# Altium PCB HumiTemPM.PcbDoc (part 2 of 2)
Units mm, origin at the board's own origin, x right, y up, seen from the top; angles counter-clockwise.
Board outline 55.25 x 79.13 mm, 2 copper layers (Top Layer, Bottom Layer); 95 components, 85 nets, 387 pads, 352 vias.
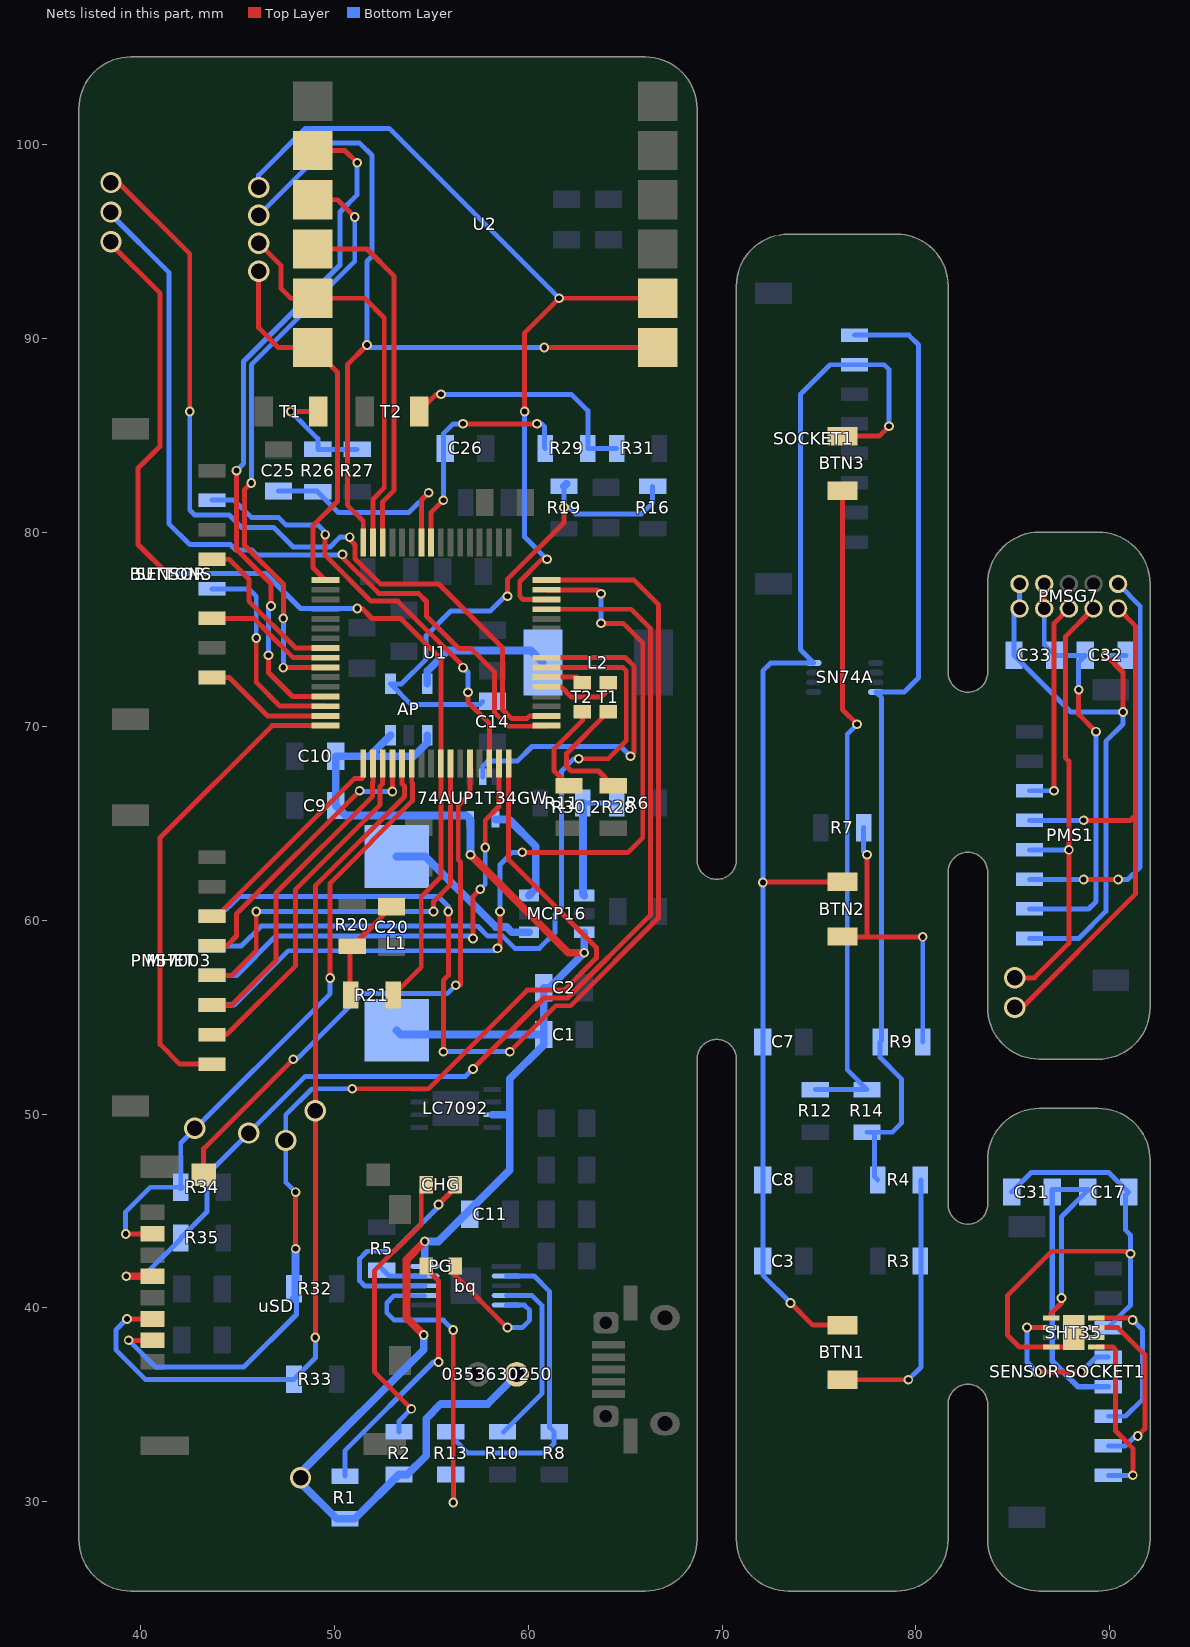
[diagram p2: the nets of this part, all layers, seen from the top]

## Via types
v1: diameter 0.8, hole 0.5, Top Layer to Bottom Layer, tented both sides, 190 vias
v2: diameter 0.5, hole 0.3, Top Layer to Bottom Layer, tented both sides, 118 vias
v3: diameter 1.1, hole 0.8, Top Layer to Bottom Layer, 30 vias
v4: diameter 3.5, hole 3, Top Layer to Bottom Layer, 5 vias
v5: diameter 0.5, hole 0.2, Top Layer to Bottom Layer, 4 vias
v6: diameter 2.5, hole 2, Top Layer to Bottom Layer, 3 vias
v7: diameter 0.8, hole 0.3, Top Layer to Bottom Layer, tented both sides, 2 vias

## Nets (pads, with @x,y where several pads share a name; then routed paths per layer and width w, separated by ;. In a path a pad name is that pad's centre, name@x,y a point inside that pad or via, vN(x,y) a via of type N, cw(c..) or ccw(c..) an arc to the next point about the centre after c; other vN are vias at no path point) (continued)
Net74AUP1T34GW_2: 74AUP1T34GW.2 U1.24 | length 18.2
  Top Layer w0.254: U1.24@60.945,73.537 65.02,73.537 65.463,73.094 65.463,68.638 v2(65.278,68.453)
  Bottom Layer w0.254: 74AUP1T34GW.2@57.658,67.394 57.658,67.945 57.912,68.199 59.439,68.199 60.197,68.957 64.774,68.957 v2(65.278,68.453)
Net74AUP1T34GW_4: 74AUP1T34GW.4 MCP16.3 | length 5.3
  Bottom Layer w0.4: 74AUP1T34GW.4@58.308,65.194 59.012,65.194 60.394,63.812 60.394,61.626 MCP16.3@60.043,61.275
NetAP3428A_4: AP.4 C14.1 R16.1 R19.2 | length 26.7
  Top Layer w0.254: v2(58.928,76.708) 58.928,77.582 61.849,80.503 v2(61.849,81.28)
  Bottom Layer w0.254: C14.1@57.658,71.281 57.497,71.12 53.969,71.12 AP.4@52.898,72.191 53.469,72.191 54.737,73.459 54.737,74.676 56.007,75.946 58.039,75.946 58.801,76.708 v2(58.928,76.708) ; R19.2@61.849,82.38 v2(61.849,81.28) 62.127,81.28 62.45,80.957 65.844,80.957 66.421,81.534 R16.1@66.421,82.38
  Bottom Layer w0.4: R19.2@61.849,82.38 R19.2@61.976,82.507
NetAP3428A_5: AP.5 L2.1 | length 7.3
  Bottom Layer w0.4: AP.5@54.798,72.191 54.798,72.846 55.866,73.914 60.122,73.914 L2.1@60.757,73.279
Netbq2409x_2: bq.2 R8.2 R13.1 | length 16.6
  Bottom Layer w0.254: R13.1@56.134,33.612 56.134,33.274 56.896,32.512 60.833,32.512 61.341,33.02 R8.2@61.341,33.612 61.11,33.843 61.11,40.843 60.305,41.648 bq.2@58.869,41.648
Netbq2409x_4: bq.4 R10.2 | length 9.4
  Bottom Layer w0.254: R10.2@58.737,33.612 60.706,35.581 60.706,40.132 60.19,40.648 bq.4@58.869,40.648
Netbq2409x_5: bq.5 PG.2 | length 7.5
  Top Layer w0.254: PG.2@56.122,42.164 56.122,41.795 v2(58.928,38.989)
  Bottom Layer w0.254: bq.5@58.869,40.148 59.801,40.148 60.071,39.878 60.071,39.37 59.69,38.989 v2(58.928,38.989)
Netbq2409x_7: bq.7 R13.2 | length 16.7
  Top Layer w0.254: v2(56.134,29.972) v2(56.134,38.862)
  Bottom Layer w0.254: bq.7@54.65,40.629 53.075,40.629 52.705,40.259 52.705,39.751 53.086,39.37 55.626,39.37 v2(56.134,38.862) ; v2(56.134,29.972) R13.2@56.134,31.412
Netbq2409x_8: bq.8 CHG.2 | length 12.1
  Top Layer w0.254: v2(55.372,45.339) 56.249,46.216 CHG.2@56.249,46.355
  Bottom Layer w0.254: 53.848,41.148 bq.8@54.669,41.148 54.669,41.125 51.585,41.125 51.308,41.402 51.308,42.545 51.689,42.926 53.083,42.926 55.372,45.215 v2(55.372,45.339)
Netbq2409x_9: bq.9 R5.2 | length 2.4
  Bottom Layer w0.254: R5.2@52.451,42.037 52.84,41.648 bq.9@54.669,41.648
NetBTN1_1: BTN1.1 R3.1 R4.1 | length 14
  Top Layer w0.254: BTN1.1@76.2,36.3 v2(79.607,36.3)
  Bottom Layer w0.254: v2(79.607,36.3) 80.264,36.957 R4.1@80.264,46.609
NetBTN1_2: BTN1.2 BTN2.2 BTN3.2 C3.2 C7.2 C8.2 SN74A.4 SOCKET1.2 | length 68.2
  Top Layer w0.254: v2(72.102,61.942) 72.136,61.976 BTN2.2@76.2,61.976 ; v2(73.533,40.259) 74.676,39.116 BTN1.2@76.2,39.116 ; BTN3.2@76.2,84.963 78.105,84.963 v2(78.613,85.471)
  Bottom Layer w0.254: v2(73.533,40.259) 72.102,41.69 C3.2@72.102,42.418 C8.2@72.102,46.609 C7.2@72.102,53.721 v2(72.102,61.942) 72.102,72.864 72.505,73.267 SN74A.4@74.727,73.267 74.041,73.953 74.041,87.122 75.565,88.646 SOCKET1.2@76.835,88.646 78.359,88.646 78.613,88.392 v2(78.613,85.471)
NetBTN2_1: BTN2.1 R7.1 R9.1 | length 15.3
  Top Layer w0.254: BTN2.1@76.2,59.16 76.221,59.139 77.597,59.139 ; v2(77.47,63.373) 77.47,59.266 77.597,59.139 ; v2(80.348,59.139) 77.597,59.139
  Bottom Layer w0.254: R7.1@77.3,64.77 77.3,63.543 v2(77.47,63.373) ; R9.1@80.348,53.721 v2(80.348,59.139)
NetBTN3_1: BTN3.1 R12.1 R14.1 | length 34.5
  Top Layer w0.254: BTN3.1@76.2,82.147 76.2,70.866 v2(76.962,70.104)
  Bottom Layer w0.254: R12.1@74.803,51.265 R14.1@77.47,51.265 76.454,52.281 76.454,69.596 v2(76.962,70.104)
NetBTN_TST1_1: R26.1 R27.1 T1.1@49.171,86.233 | length 6
  Top Layer w0.254: v2(47.752,86.233) T1.1@49.171,86.233
  Bottom Layer w0.254: v2(47.752,86.233) 49.149,84.836 R26.1@49.149,84.285 R27.1@51.181,84.285
NetBTN_TST2_1: R29.1 R31.1 T2.1@54.378,86.233 | length 12.8
  Top Layer w0.254: T2.1@54.378,86.233 55.267,87.122 v2(55.499,87.122)
  Bottom Layer w0.254: v2(55.499,87.122) 62.23,87.122 63.076,86.276 R29.1@63.076,84.328 R31.1@64.559,84.328
"NetBUTTONS SOCKET1_1": R4.2 R9.2 R14.2 SN74A.8 SOCKET1.1 | length 50.5
  Bottom Layer w0.254: SOCKET1.1@76.835,90.17 79.629,90.17 80.137,89.662 80.137,72.517 79.387,71.767 SN74A.8@77.927,71.767 78.228,71.466 78.228,53.801 R9.2@78.148,53.721 78.148,52.916 79.248,51.816 79.248,49.53 78.783,49.065 R14.2@77.851,49.065 ; R14.2@77.47,49.065 R14.2@77.851,49.065 ; R4.2@78.021,46.609 77.851,46.779 R14.2@77.851,49.065
"NetBUTTONS SOCKET_1": BUTTONS.1 U1.63 | length 6.7
  Top Layer w0.254: BUTTONS.1@43.688,72.517 44.577,72.517 46.557,70.537 U1.63@49.545,70.537
"NetBUTTONS SOCKET_3": BUTTONS.3 U1.57 | length 6.7
  Top Layer w0.254: BUTTONS.3@43.688,75.565 45.85,75.565 46.605,74.81 46.605,74.807 47.875,73.537 U1.57@49.545,73.537
"NetBUTTONS SOCKET_5": BUTTONS.5 U1.56 | length 8.4
  Top Layer w0.254: BUTTONS.5@43.688,78.613 44.577,78.613 45.593,77.597 45.593,76.451 48.007,74.037 U1.56@49.545,74.037
NetC17_1: "SENSOR SOCKET1.3" C17.1 C31.1 SHT35.2 SHT35.8 SHT35.9 | length 28.5
  Top Layer w0.254: SHT35.9@87.67,37.985 SHT35.8@86.968,37.985 85.332,37.985 84.709,38.608 84.709,40.64 86.995,42.926 v2@91.059,42.926 ; SHT35.9@88.011,38.885 88.178,38.885 88.578,38.485 SHT35.2@89.308,38.485
  Bottom Layer w0.254: C31.1@84.929,45.974 85.945,46.99 89.95,46.99 C17.1@90.966,45.974 90.809,45.817 90.809,44.014 91.059,43.764 v2(91.059,42.799) 91.059,40.132 90.936,40.009 90.913,40.009 89.916,39.012 89.916,38.989
NetC17_2: "SENSOR SOCKET1.5" C17.2 C31.2 SHT35.5 | length 21.5
  Top Layer w0.254: SHT35.5@86.968,39.485 86.968,39.724 87.503,40.259 v2(87.503,40.513)
  Bottom Layer w0.254: C31.2@87.029,46.101 88.866,46.101 88.866,46.067 87.503,44.704 87.503,41.91 v2(87.503,40.513)
  Bottom Layer w0.3: C31.2@87.029,46.101 C31.2@87.029,45.974 87.029,37.268 88.356,35.941 89.916,35.941
NetC20_2: C20.2 R20.1 R21.1 | length 5.6
  Top Layer w0.254: R21.1@50.843,56.134 50.8,56.177 50.8,58.64 50.85,58.59 50.859,58.59 C20.2@52.959,60.69
NetC25_1: C25.1 R26.2 U1.42 | length 11.3
  Top Layer w0.254: U1.42@54.495,79.487 54.495,81.673 v2(54.864,82.042)
  Bottom Layer w0.254: C25.1@47.117,82.135 49.099,82.135 R26.2@49.149,82.085 50.208,81.026 53.848,81.026 v2(54.864,82.042)
NetC26_1: C26.1 R29.2 U1.41 | length 12.5
  Top Layer w0.254: U1.41@54.995,79.487 54.995,81.03 v2(55.626,81.661) ; v2(56.642,85.598) v2(60.452,85.598)
  Bottom Layer w0.254: v2(55.626,81.661) 55.626,85.09 56.134,85.598 v2(56.642,85.598) ; v2(60.452,85.598) 60.706,85.598 60.833,85.471 60.833,84.371 R29.2@60.876,84.328
NetC32_1: C32.1 C33.1 PMS1.1 PMSG7.1 PMSG7.2 | length 29.9
  Top Layer w0.254: v2(89.789,73.66) 90.678,72.771 v2(90.678,70.739)
  Bottom Layer w0.254: PMSG7.2@85.344,77.343 PMSG7.1@85.344,76.073 85.056,75.785 C33.1@85.056,73.66 87.977,70.739 v2(90.678,70.739) 90.678,70.104 89.793,69.219 89.793,60.456 88.392,59.055 PMS1.1@85.852,59.055 ; 90.043,73.66 C32.1@90.839,73.66
NetC32_2: C32.2 C33.2 PMS1.2 PMSG7.3 PMSG7.4 | length 22.3
  Top Layer w0.254: PMSG7.3@86.614,76.073 PMSG7.4@86.614,77.343 ; v2(88.392,71.882) 88.392,70.612 v2(89.281,69.723)
  Bottom Layer w0.254: PMS1.2@85.852,60.579 88.9,60.579 89.281,60.96 v2(89.281,69.723) ; PMSG7.3@86.614,76.073 86.614,74.202 C33.2@87.156,73.66 C32.2@88.739,73.66 88.392,73.313 v2(88.392,71.882)
NetJ1_SW: U1.12 uSD.SW | length 29.8
  Top Layer w0.254: uSD.SW@43.265,46.872 43.265,48.218 v2(47.879,52.832) ; v2(56.261,56.642) 56.515,56.65 56.515,62.989 56.392,63.112 56.392,65.914 56.995,66.517 U1.12@56.995,68.087
  Bottom Layer w0.254: v2(47.879,52.832) 48.062,52.832 51.438,56.208 55.827,56.208 v2(56.261,56.642)
NetL1_1: L1.1 MCP16.1 | length 8.4
  Bottom Layer w0.4: L1.1@53.213,63.286 54.697,63.286 58.328,59.655 58.879,59.655 59.159,59.375 MCP16.1@60.043,59.375
NetLD_TST_1_1: 2R28.2 T1.1@64.135,70.751 | length 6.5
  Top Layer w0.254: T1.1@64.135,70.751 61.976,68.592 61.976,67.945 62.23,67.691 63.627,67.691 2R28.2@64.389,66.929
NetLD_TST_1_2: T1.2@64.135,72.251 U1.21 | length 3.9
  Top Layer w0.254: U1.21@60.945,72.037 61.712,72.037 61.947,71.802 61.947,71.784 62.23,71.501 63.754,71.501 64.135,71.882 T1.2@64.135,72.251
NetLD_TST_2_1: R30.1 T2.1@62.796,70.751 | length 4.7
  Top Layer w0.254: R30.1@62.103,66.929 61.341,67.691 61.341,68.834 62.796,70.289 T2.1@62.796,70.751
NetLD_TST_2_2: T2.2@62.796,72.251 U1.22 | length 2
  Top Layer w0.254: U1.22@60.945,72.537 62.51,72.537 T2.2@62.796,72.251
NetLDB_1: CHG.1 R2.1 | length 14.9
  Top Layer w0.254: v2(53.975,34.798) 52.07,36.703 52.07,41.913 54.483,44.326 54.483,46.089 CHG.1@54.749,46.355
  Bottom Layer w0.254: R2.1@53.34,33.612 53.34,34.163 v2(53.975,34.798)
NetLDG_1: PG.1 R1.2 | length 13.3
  Top Layer w0.254: PG.1@54.622,42.164 55.372,41.414 v2(55.372,37.211)
  Bottom Layer w0.254: R1.2@50.546,31.326 50.546,32.639 55.118,37.211 v2(55.372,37.211)
NetMCP1640_4: MCP16.4 R6.2 R11.1 | length 6.5
  Bottom Layer w0.254: R11.1@62.822,66.04 R6.2@64.559,66.04
  Bottom Layer w0.4: R11.1@62.822,66.04 62.822,61.346 MCP16.4@62.893,61.275
"NetMHET SOCKET_1": MHET.1 U1.64 | length 24.7
  Top Layer w0.254: MHET.1@43.688,52.578 42.037,52.578 41.021,53.594 41.021,64.262 46.796,70.037 U1.64@49.545,70.037
"NetMHET SOCKET_2": MHET.2 U1.3 | length 18.1
  Top Layer w0.254: MHET.2@43.688,54.102 44.45,54.102 48.006,57.658 48.006,61.595 52.364,65.953 52.364,66.9 52.495,67.031 U1.3@52.495,68.087
"NetMHET SOCKET_3": MHET.3 U1.2 | length 16.5
  Top Layer w0.254: MHET.3@43.688,55.626 44.704,55.626 46.99,57.912 46.99,61.405 51.96,66.375 51.96,67.068 51.995,67.103 U1.2@51.995,68.087
"NetMHET SOCKET_4": MHET.4 U1.10 | length 22
  Top Layer w0.254: MHET.4@43.688,57.15 44.704,57.15 45.974,58.42 v2(45.974,60.452) ; v2(55.118,60.452) 55.118,60.96 55.988,61.83 55.988,68.08 U1.10@55.995,68.087
  Bottom Layer w0.254: v2(45.974,60.452) v2(55.118,60.452)
"NetMHET SOCKET_5": MHET.5 U1.4 | length 14.8
  Top Layer w0.254: MHET.5@43.688,58.674 44.45,58.674 44.958,59.182 44.958,60.328 51.305,66.675 v2(51.308,66.675) ; v2(52.995,66.639) U1.4@52.995,68.087
  Bottom Layer w0.254: v2(51.308,66.675) 51.344,66.639 v2(52.995,66.639)
"NetMHET SOCKET_6": MHET.6 U1.1 | length 11.5
  Top Layer w0.254: MHET.6@43.688,60.198 43.939,60.198 51.054,67.313 51.432,67.313 51.495,67.377 U1.1@51.495,68.087
NetPMS1_3: PMS1.3 PMSG7.10 | length 21.1
  Top Layer w0.254: v2(88.646,62.103) v2(90.424,62.103)
  Bottom Layer w0.254: PMS1.3@85.852,62.103 v2(88.646,62.103) ; v2(90.424,62.103) 90.932,62.103 91.567,62.738 91.567,76.2 PMSG7.10@90.424,77.343
NetPMS1_4: PMS1.4 PMSG7.7 | length 23.5
  Top Layer w0.254: v3(85.09,57.023) 86.106,57.023 87.884,58.801 v2(87.884,63.627) 87.884,68.199 87.704,68.379 87.704,74.623 PMSG7.7@89.154,76.073
  Bottom Layer w0.254: PMS1.4@85.852,63.627 v2(87.884,63.627)
NetPMS1_5: PMS1.5 PMSG7.9 | length 29.3
  Top Layer w0.254: v3(85.09,55.499) 85.471,55.499 91.313,61.341 91.313,65.405 ; v2(88.646,65.151) 91.059,65.151 91.313,65.405 ; PMSG7.9@90.424,76.073 91.313,75.184 91.313,65.405
  Bottom Layer w0.254: PMS1.5@85.852,65.151 v2(88.646,65.151)
NetPMS1_6: PMS1.6 PMSG7.5 | length 11
  Top Layer w0.254: v2(87.122,66.675) 87.122,75.311 PMSG7.5@87.884,76.073
  Bottom Layer w0.254: PMS1.6@85.852,66.675 v2(87.122,66.675)
"NetPMS7003 SOCKET_3": PMS7003.3 U1.32 | length 56.9
  Top Layer w0.254: v2(55.626,53.213) 55.63,53.217 55.63,56.903 55.88,57.153 v2(55.88,60.452) ; v2(59.055,53.213) 61.428,55.586 62.193,55.586 66.717,60.11 66.717,76.285 65.465,77.537 U1.32@60.945,77.537
  Bottom Layer w0.254: PMS7003.3@43.688,60.198 44.069,60.198 45.085,61.214 55.372,61.214 55.88,60.706 v2(55.88,60.452) ; v2(55.626,53.213) 55.645,53.232 59.036,53.232 v2(59.055,53.213)
"NetPMS7003 SOCKET_6": PMS7003.6 U1.31 | length 45.4
  Top Layer w0.254: v2(58.42,58.547) 58.547,58.674 v2(58.547,60.452) v2@58.42,60.452 ; v2(59.69,63.5) 65.151,63.5 65.909,64.258 65.909,74.299 64.897,75.311 v2(63.754,75.311) ; U1.31@60.945,77.037 63.552,77.037 v2(63.754,76.835)
  Bottom Layer w0.254: PMS7003.6@43.688,55.626 44.831,55.626 47.629,58.424 58.297,58.424 v2(58.42,58.547) ; v2(58.547,60.452) 58.547,62.865 59.182,63.5 v2(59.69,63.5) ; v2(63.754,75.311) v2(63.754,76.835)
NetR21_2: R21.2 U1.9 | length 53.5
  Top Layer w0.254: v3@38.481,94.869 41.021,92.329 41.021,84.455 39.878,83.312 39.878,79.375 v2(41.402,77.851) ; v2(51.181,76.073) 51.435,76.073 51.947,75.561 53.424,75.561 55.495,73.49 U1.9@55.495,68.087 55.495,62.226 54.483,61.214 54.483,57.574 R21.2@53.043,56.134
  Bottom Layer w0.254: v2(41.402,77.851) 41.433,77.882 46.451,77.882 48.26,76.073 v2(51.181,76.073)
  other v3: 38.481,94.996
"NetSENSOR SOCKET1_4": "SENSOR SOCKET1.4" SHT35.6 | length 7.7
  Top Layer w0.254: v2(85.725,38.989) 86.964,38.989 SHT35.6@86.968,38.985 ; v2(86.233,36.703) v2(88.519,36.703)
  Bottom Layer w0.254: v2(85.725,38.989) 85.725,37.211 v2(86.233,36.703) ; v2(88.519,36.703) 89.281,37.465 89.916,37.465
"NetSENSOR SOCKET1_6": "SENSOR SOCKET1.6" SHT35.4 | length 8.4
  Top Layer w0.254: SHT35.4@89.308,39.485 91.174,39.485 v2(91.174,39.378)
  Bottom Layer w0.254: 89.916,34.417 90.805,34.417 91.69,35.302 91.69,38.862 v2(91.174,39.378)
"NetSENSOR SOCKET1_7": "SENSOR SOCKET1.7" SHT35.3 | length 9.2
  Top Layer w0.254: SHT35.3@89.308,38.985 90.412,38.985 91.805,37.592 91.805,33.766 v2(91.44,33.401)
  Bottom Layer w0.254: 89.916,32.893 90.805,32.893 91.313,33.401 v2(91.44,33.401)
"NetSENSOR SOCKET1_8": "SENSOR SOCKET1.8" SHT35.1 | length 9.2
  Top Layer w0.254: SHT35.1@89.308,37.985 90.158,37.985 90.297,37.846 90.297,33.655 90.809,33.143 90.809,33.14 91.186,32.763 v2(91.186,31.369)
  Bottom Layer w0.254: 89.916,31.369 v2(91.186,31.369)
"NetSENSOR SOCKET_2": SENSOR.2 U1.14 | length 22.9
  Top Layer w0.254: v2(49.53,79.883) 49.53,78.819 51.895,76.454 53.281,76.454 56.642,73.093 v2(56.642,73.025) ; v2(56.896,71.755) 56.896,71.247 57.995,70.148 U1.14@57.995,68.087
  Bottom Layer w0.254: SENSOR.2@43.688,81.661 44.831,81.661 45.72,80.772 47.117,80.772 47.498,80.391 49.149,80.391 49.657,79.883 v2(49.53,79.883) ; v2(56.642,73.025) 56.896,72.771 v2(56.896,71.755)
"NetSENSOR SOCKET_5": SENSOR.5 U1.62 | length 11
  Top Layer w0.254: v2(45.974,74.549) 45.974,72.263 47.2,71.037 U1.62@49.545,71.037
  Bottom Layer w0.254: SENSOR.5@43.688,77.089 45.593,77.089 45.974,76.708 v2(45.974,74.549)
NetU1_17: U1.17 | length 42.8
  Top Layer w0.254: v2(50.419,78.867) 50.419,78.725 52.286,76.858 54.333,76.858 54.752,76.439 54.752,75.677 56.407,74.022 57.042,74.022 58.27,72.794 58.27,70.699 58.967,70.002 60.91,70.002 U1.17@60.945,70.037
  Bottom Layer w0.254: v3@38.481,96.393 41.465,93.408 41.465,80.454 42.545,79.375 44.641,79.375 44.926,79.09 45.748,79.09 45.994,78.844 50.396,78.844 v2(50.419,78.867)
  other v3: 38.481,96.52
NetU1_18: U1.18 | length 44.5
  Top Layer w0.254: v3(38.481,98.044) 38.862,98.044 42.545,94.361 v2(42.545,86.233) ; v2(50.8,79.756) 50.8,79.629 51.068,79.361 51.068,78.647 52.372,77.343 55.377,77.343 58.674,74.046 58.674,70.866 59.134,70.406 59.951,70.406 60.082,70.537 U1.18@60.945,70.537
  Bottom Layer w0.254: v2(42.545,86.233) 42.545,81.153 42.799,80.899 44.577,80.899 45.216,80.26 46.867,80.26 47.879,79.248 49.787,79.248 50.161,79.622 50.161,79.625 50.292,79.756 v2(50.8,79.756)
NetU1_46: U1.46 U2.4 | length 18.7
  Top Layer w0.254: U2.4@48.895,94.615 51.689,94.615 53.086,93.218 53.086,82.169 52.495,81.578 U1.46@52.495,79.487
NetU1_58: U1.58 U2.3 | length 31.1
  Top Layer w0.254: v2(45.72,82.55) 45.362,82.192 45.362,79.352 47.371,77.343 v2(47.371,75.565) ; v2(47.371,73.025) 47.383,73.037 U1.58@49.545,73.037 ; U2.3@48.895,97.155 50.165,97.155 v2(51.054,96.266)
  Bottom Layer w0.254: v2(45.72,82.55) 45.72,88.646 51.054,93.98 v2(51.054,96.266) ; v2(47.371,73.025) v2(47.371,75.565)
NetU1_61: U1.61 U2.2 | length 35.9
  Top Layer w0.254: v2(44.958,83.185) 44.958,79.121 46.736,77.343 v2(46.736,76.2) ; v2(46.609,73.66) 46.609,72.771 47.843,71.537 U1.61@49.545,71.537 ; U2.2@48.895,99.695 50.546,99.695 v2(51.181,99.06)
  Bottom Layer w0.254: v2(44.958,83.185) 45.316,83.543 45.316,88.813 50.292,93.789 50.292,96.52 51.181,97.409 v2(51.181,99.06) ; v2(46.609,73.66) 46.609,76.2 46.736,76.327 v2(46.736,76.2)
PMS_RX: PMS7003.5 U1.15 | length 23.9
  Top Layer w0.254: v2(57.15,59.055) 57.15,61.214 v2(57.531,61.595) ; v2(57.785,63.746) 57.785,65.151 58.495,65.861 U1.15@58.495,68.087
  Bottom Layer w0.254: PMS7003.5@43.688,57.15 44.958,57.15 46.99,59.182 57.023,59.182 v2(57.15,59.055) ; v2(57.531,61.595) 57.785,61.849 v2(57.785,63.746)
PMS_TX: PMS7003.4 U1.23 | length 39.2
  Top Layer w0.254: U1.23@60.945,73.037 64.885,73.037 65.059,72.863 65.059,69.25 64.135,68.326 v2(62.611,68.326)
  Bottom Layer w0.254: PMS7003.4@43.688,58.674 45.212,58.674 46.228,59.69 57.269,59.69 57.273,59.686 57.411,59.686 57.919,59.178 58.681,59.178 59.312,58.547 60.579,58.547 61.372,59.34 61.372,60.269 61.722,60.619 61.722,67.691 62.357,68.326 v2(62.611,68.326)
SP1_CS: U1.30 U2.8 | length 44.6
  Top Layer w0.254: v2(59.817,86.233) 59.817,90.297 v2(61.595,92.075) U2.8@66.675,92.075 ; U1.30@60.945,76.537 59.734,76.537 59.563,76.708 59.563,77.47 60.706,78.613 v2(60.966,78.613)
  Bottom Layer w0.254: v3(46.101,97.79) 46.101,98.425 48.514,100.838 52.832,100.838 v2(61.595,92.075) ; v2(59.817,86.233) 59.817,79.762 v2(60.966,78.613)
SPI1_CLK: U1.49 U2.6 | length 19.5
  Top Layer w0.254: v3(46.101,93.472) 46.101,90.551 47.117,89.535 U2.6@48.895,89.535 50.165,88.265 50.165,81.609 48.895,80.339 48.895,78.187 U1.49@49.545,77.537
SPI1_MISO: U1.48 U2.7 | length 43.5
  Top Layer w0.254: U1.48@51.495,79.487 51.495,80.585 50.673,81.407 50.673,88.646 v2(51.689,89.662) ; v2(60.833,89.535) U2.7@66.675,89.535
  Bottom Layer w0.254: v3(46.101,96.351) 49.826,100.076 51.308,100.076 51.943,99.441 51.943,94.234 51.689,93.98 v2(51.689,89.662) 51.816,89.535 v2(60.833,89.535)
SPI1_MOSI: U1.47 U2.5 | length 20.6
  Top Layer w0.254: v3(46.101,94.911) 47.244,93.768 47.244,92.583 47.752,92.075 U2.5@48.895,92.075 51.562,92.075 52.578,91.059 52.578,82.296 51.995,81.713 U1.47@51.995,79.487
SPI3_CLK: R35.2 U1.29 uSD.5 | length 57.8
  Top Layer w0.254: v2(57.15,52.324) 60.816,55.99 62.025,55.99 66.313,60.277 66.313,75.038 65.314,76.037 U1.29@60.945,76.037
  Top Layer w0.4: v2(39.267,41.632) uSD.5@40.635,41.632
  Bottom Layer w0.254: v2(39.267,41.632) 40.151,41.632 R35.2@42.08,43.561 ; R35.2@42.08,43.612 43.434,44.966 43.434,46.874 48.503,51.943 56.769,51.943 v2(57.15,52.324)
  other v3: 45.593,49.022
SPI3_CS: R32.2 U1.16 uSD.2 | length 53.4
  Top Layer w0.254: v2(39.392,38.332) uSD.2@40.635,38.332 ; v2(48.006,43.053) v2(48.006,45.974) ; v2(50.927,51.308) 54.864,51.308 59.95,56.394 61.858,56.394 63.524,58.06 63.524,58.582 58.995,63.111 U1.16@58.995,68.087
  Bottom Layer w0.254: v2(39.392,38.332) 40.767,36.957 45.339,36.957 48.049,39.667 R32.2@48.049,40.513 ; v2(48.006,45.974) 47.498,46.482 v3(47.498,48.641) 47.498,49.958 48.848,51.308 v2(50.927,51.308)
  Bottom Layer w0.4: R32.2@47.922,40.513 48.006,40.597 v2(48.006,43.053)
SPI3_MISO: R34.2 U1.6 uSD.7 | length 32.7
  Top Layer w0.254: v2(39.243,43.815) uSD.7@40.618,43.815 ; v2(49.784,57.023) 49.784,61.909 54.03,66.155 54.03,67.068 53.995,67.103 U1.6@53.995,68.087
  Top Layer w0.4: uSD.7@40.618,43.815 uSD.7@40.635,43.832
  Bottom Layer w0.254: v2(39.243,43.815) 39.243,44.958 40.513,46.228 R34.2@42.08,46.228 42.08,48.51 49.784,56.214 v2(49.784,57.023)
  other v3: 42.799,49.276
SPI3_MOSI: R33.2 U1.5 uSD.3 | length 47.2
  Top Layer w0.254: v2(39.305,39.432) uSD.3@40.635,39.432 ; v2(49.022,38.481) 49.022,61.774 53.626,66.378 53.626,66.9 53.495,67.031 U1.5@53.495,68.087
  Bottom Layer w0.254: v2(39.305,39.432) 38.735,38.862 38.735,37.846 40.259,36.322 R33.2@47.922,36.322 49.022,37.422 v2(49.022,38.481)
  other v3: 49.022,50.165
VBAT+: 74AUP1T34GW.5 0353630250.1 AP.1 AP.3 bq.10 C1.2 C2.2 C9.2 C10.2 C11.2 L1.2 LC7092.3 MCP16.6 R1.1 R2.2 | length 88.3
  Top Layer w0.4: v2(54.61,38.608) 53.721,39.497 53.721,42.486 v2(54.669,43.434) ; v2(57.023,63.373) 62.075,58.321 v2(62.893,58.321)
  Bottom Layer w0.4: AP.3@52.898,69.541 51.81,68.453 ; L1.2@53.213,54.316 53.427,54.102 C1.2@60.799,54.102 ; v2(54.61,38.608) 54.61,37.846 48.26,31.496 v3(48.26,31.242) 48.26,30.988 50.122,29.126 R1.1@50.546,29.126 51.054,29.126 R2.2@53.34,31.412 53.764,31.412 54.737,32.385 54.737,34.29 55.499,35.052 57.912,35.052 0353630250.1@59.436,36.576 ; bq.10@54.669,42.148 v2(54.669,43.434) 55.372,43.434 59.055,47.117 59.055,49.967 ; AP.1@54.798,69.541 54.798,69.149 54.102,68.453 51.81,68.453 ; v2(57.023,63.373) 57.023,65.179 74AUP1T34GW.5@57.008,65.194 56.797,65.405 50.58,65.405 C9.2@50.072,65.913 C10.2@50.072,68.453 51.81,68.453 ; LC7092.3@58.151,49.967 59.055,49.967 ; MCP16.6@62.893,59.375 v2(62.893,58.321) 61.087,56.515 C2.2@60.799,56.515 C1.2@60.799,54.102 ; 59.055,49.967 59.055,51.816 60.799,53.56 C1.2@60.799,54.102
pads on no net: "SENSOR SOCKET1.1" "SENSOR SOCKET1.2" "SENSOR SOCKET1.P1" "SENSOR SOCKET1.P2" bq.6 BUTTONS.2 BUTTONS.4 BUTTONS.6 BUTTONS.P1 BUTTONS.P2 LC7092.5 LC7092.6 LC7092.9 MHET.P1 MHET.P2 PMS1.7 PMS1.8 PMS1.P1 PMS1.P2 PMS7003.1 PMS7003.2 PMS7003.P1 PMS7003.P2 PMSG7.6 PMSG7.8 SENSOR.7 SENSOR.8 SENSOR.P1 SENSOR.P2 SHT35.7 SOCKET1.3 SOCKET1.5 SOCKET1.7 SOCKET1.P1 SOCKET1.P2 U1.11 U1.13 U1.27 U1.28 U1.33 U1.36 U1.37 U1.38 U1.45 U1.52 U1.53 U2.9 uSD.1 uSD.8 uUSB.2 uUSB.3 uUSB.4
copper on no net:
  other v4: 66.04,28.194 40.005,28.321 76.2,29.591 79.121,92.71 39.878,101.6
  other v5: 55.761,49.792 56.761,49.792 55.761,50.792 56.761,50.792
  other v6: 87.757,27.305 87.884,48.641 87.884,54.864

## Polygon pours and split planes (outlines as drawn)
GND on Top Layer "Top Layer-GND" (solid, remove dead copper, pour order 4): 37.465,30.48 42.545,30.48 42.545,25.908 63.881,25.908 63.881,30.607 67.945,30.607 67.945,103.378 42.545,103.378 42.545,98.933 37.465,98.933
GND on Bottom Layer "Bottom Layer-GND" (solid, remove dead copper, pour order 5): 37.465,30.48 42.545,30.48 42.545,25.908 63.881,25.908 63.881,30.607 67.945,30.607 67.945,103.378 42.545,103.378 42.545,99.568 37.465,99.568

## Silkscreen, mask and mechanical layers (free items; w line width, h text height)
Top Overlay:
  drawing of 93 lines, arcs and shapes, not listed
  text "CS1" at 41.021,97.917 h1.52
  text "MISO" at 39.751,96.012 h1.52
  text "MOSI" at 39.751,94.107 h1.52
  text "CLK1" at 39.751,92.202 h1.52
  text "SCL2" at 37.465,89.535 h1.52
  text "SDA2" at 37.465,87.122 h1.52
  text "B1O" at 79.883,80.391 h1.52 r90
  text "B2O" at 80.518,74.041 h1.52 r90
  text "B3O" at 74.041,73.406 h1.52 r90
  text "3V" at 38.862,67.183 h1.52
  text "HumiTemPM1.0" at 41.783,65.532 h1.52
  text "B2S" at 73.279,65.405 h1.52 r90
  text "PMTX" at 86.106,59.563 h1.52
  text "HumiTemPM1.0" at 85.725,57.912 h1.52 r90
  text "PMRX" at 86.106,57.277 h1.52
  text "SDA1" at 67.183,56.642 h1.52 r90
  text "HumiTemPM1.0" at 80.264,52.832 h1.52 r90
  text "5V" at 48.006,51.435 h1.52 r90
  text "SCL1" at 67.183,48.006 h1.52 r90
  text "B3S" at 75.057,44.577 h1.52 r90
  text "VUSB" at 63.754,40.767 h1.52 r90
  text "B1S" at 79.121,40.513 h1.52 r90
  text "HumiTemPM1.0" at 85.979,29.464 h1.52 r90
  text "GND" at 44.577,26.416 h1.52 r90
  text "VBAT" at 47.244,26.416 h1.52 r90
Bottom Overlay:
  text "P_D" at 44.196,97.917 h1.52
  text "P_C" at 44.196,95.885 h1.52
  text "CLR" at 44.323,93.726 h1.52
  text "3V3" at 44.45,91.694 h1.52
  text "GND" at 42.037,89.408 h1.52
  text "MI3" at 41.783,47.752 h1.52
  text "CLK3" at 46.736,47.371 h1.52 r90
  text "CS3" at 48.641,47.371 h1.52 r90
  text "MO3" at 50.673,47.371 h1.52 r90
Mechanical 1:
  lines w0.254: 36.827,28.067 ccw(c39.497,28.067) 39.497,25.397 ; 36.83,28.067 36.83,101.854 cw(c39.5,101.854) 39.5,104.524 ; 39.497,25.4 66.04,25.4 ; 39.497,104.521 66.04,104.521 cw(c66.04,101.851) 68.71,101.851 ; 66.04,25.397 ccw(c66.04,28.067) 68.71,28.067 ; 68.707,28.067 68.707,52.832 cw(c69.723,52.832) 70.739,52.832 70.739,28.067 ; 68.707,101.854 68.707,63.119 ccw(c69.723,63.119) 70.739,63.119 70.739,92.71 ; 70.736,28.07 ccw(c73.406,28.07) 73.406,25.4 78.994,25.4 ; 70.736,92.707 cw(c73.406,92.707) 73.406,95.377 78.988,95.377 ; 78.991,25.397 ccw(c78.991,28.067) 81.661,28.067 81.661,35.052 cw(c82.677,35.052) 83.693,35.052 83.693,28.067 ; 78.991,95.38 cw(c78.991,92.71) 81.661,92.71 81.661,72.771 ccw(c82.677,72.771) 83.693,72.771 83.693,77.337 ; 83.69,28.07 ccw(c86.36,28.07) 86.36,25.4 89.405,25.4 ; 83.69,47.625 cw(c86.36,47.625) 86.36,50.295 ; 83.69,55.502 ccw(c86.36,55.502) 86.36,52.832 89.405,52.832 ; 83.69,77.34 cw(c86.36,77.34) 86.36,80.01 89.405,80.01 ; 83.693,47.622 83.693,45.339 cw(c82.677,45.339) 81.661,45.339 81.661,62.484 cw(c82.677,62.484) 83.693,62.484 83.693,55.499 ; 86.36,50.292 89.408,50.292 ; 89.405,25.397 ccw(c89.405,28.067) 92.075,28.067 92.075,47.625 ; 89.405,52.829 ccw(c89.405,55.499) 92.075,55.499 92.075,77.343 ccw(c89.405,77.343) 89.405,80.013 ; 89.408,50.295 cw(c89.408,47.625) 92.078,47.625